# KiCad board kira.kicad_pcb
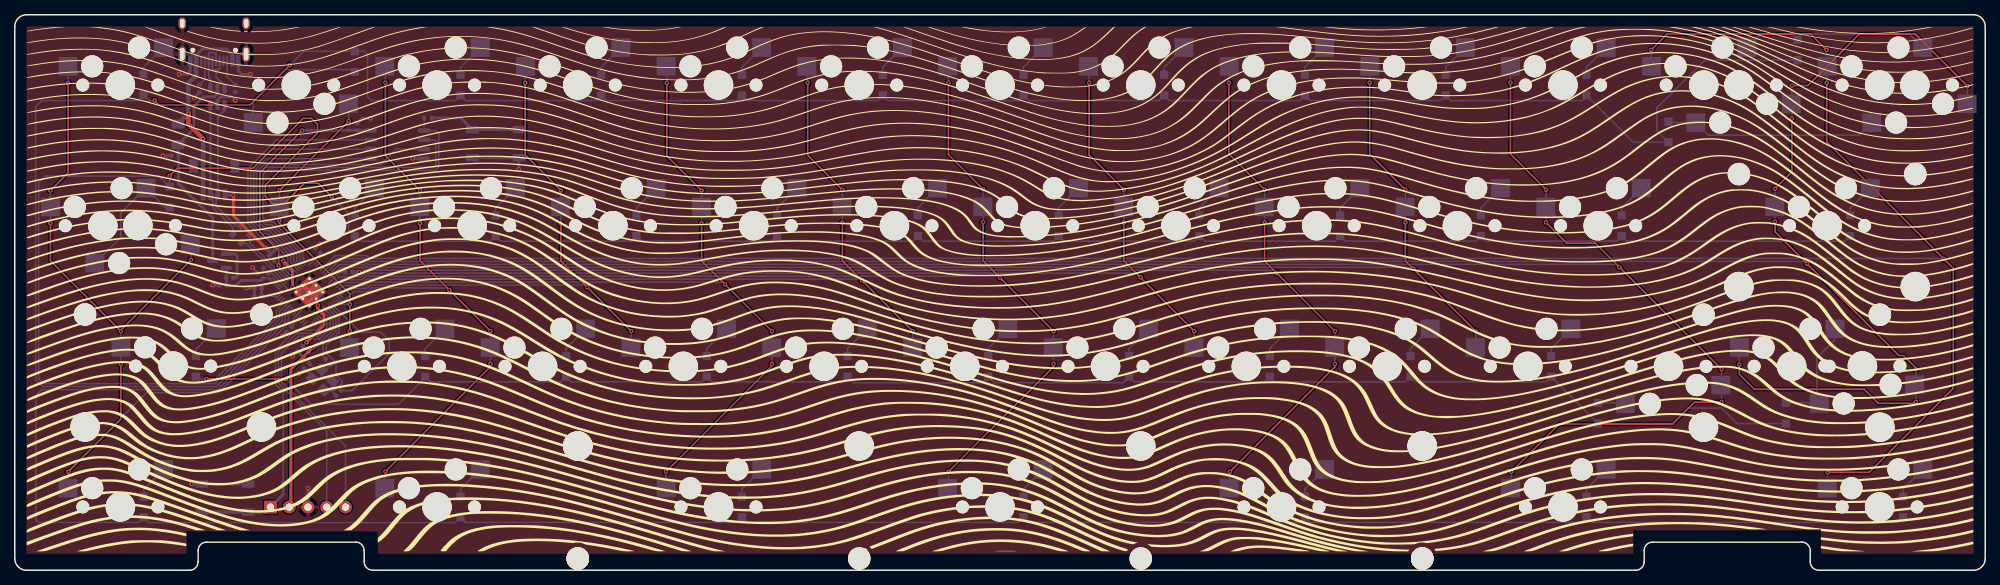
[diagram p0: board, top side]
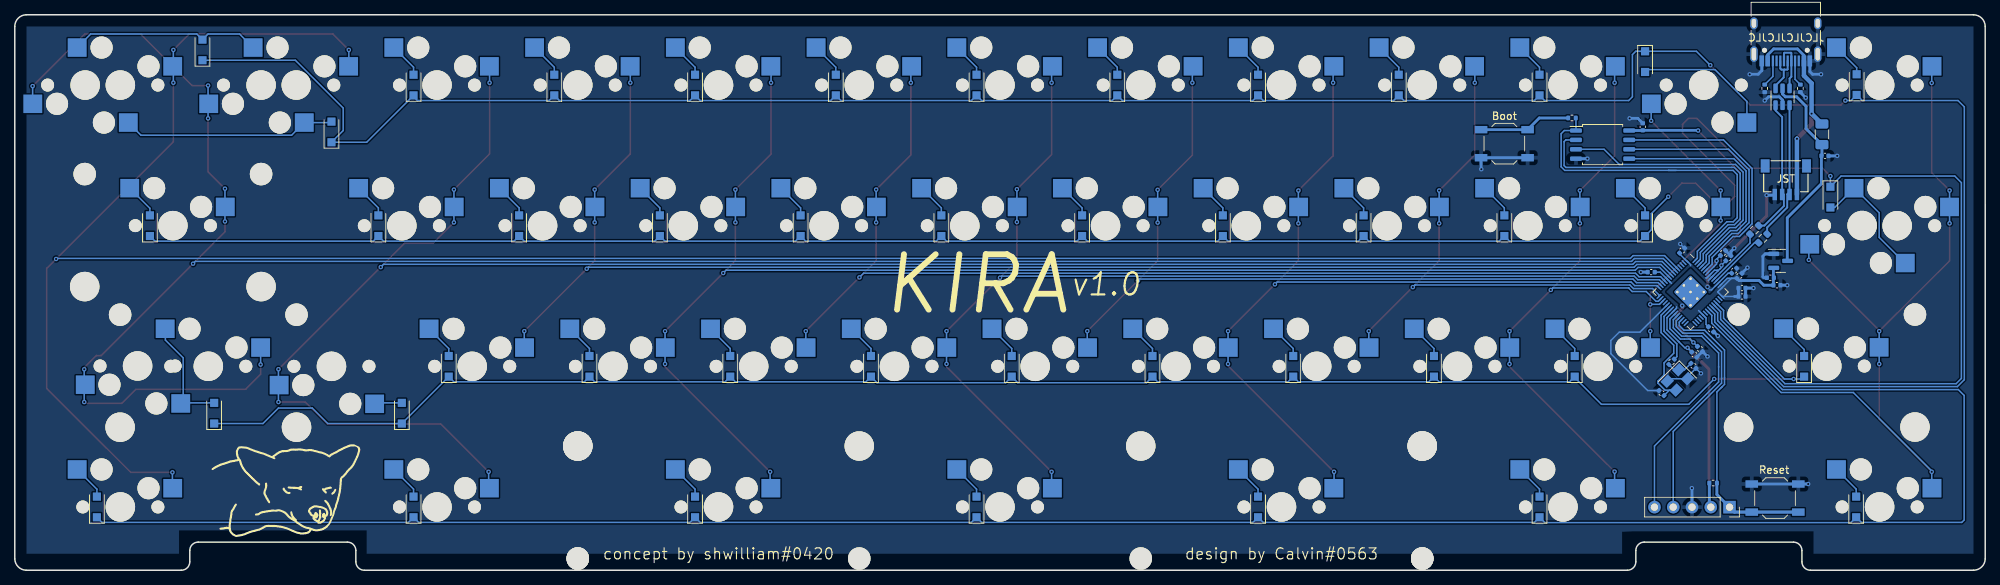
[diagram p1: board, bottom side, seen from below]

Outline 266.7 x 75.25 mm; copper layers: Top, Bottom. Coordinates in mm from the lower left corner of the outline.
Outline path: 0,1.52 0.01,73.65 arc(0.47,74.78) 1.59,75.24 265.18,75.25 arc(266.26,74.76) 266.7,73.66 266.7,1.52 arc(266.24,0.46) 265.18,0 244.16,0 arc(243.35,0.33) 243.01,1.14 243.01,2.67 arc(242.68,3.48) 241.87,3.81 221.68,3.81 arc(220.87,3.48) 220.54,2.67 220.54,1.14 arc(220.2,0.33) 219.39,0 48.43,0 arc(47.62,0.33) 47.29,1.14 47.29,2.67 arc(46.96,3.48) 46.15,3.81 25.95,3.81 arc(25.15,3.48) 24.81,2.67 24.81,1.14 arc(24.48,0.33) 23.67,0 1.59,0 arc(0.49,0.44) 0,1.52
Stack: Top 0.035mm / dielectric 1.51mm FR4 er 4.5 / Bottom 0.035mm

## Placement (name value [footprint] x y rotation side)
C1  1uF  [C_0402_1005Metric]  33.98 40.58 135 bottom
C2  100nF  [C_0402_1005Metric]  35.5 42.98 135 bottom
C3  100nF  [C_0402_1005Metric]  38.61 29.97 225 bottom
C4  1uF  [C_0402_1005Metric]  21.69 56.13 180 bottom
C5  22pF  [C_0402_1005Metric]  39.5 27.69 45 bottom
C6  22pF  [C_0402_1005Metric]  43.81 24 225 bottom
C7  10uF  [C_0402_1005Metric]  29.08 39.62 0 bottom
C8  1uF  [C_0402_1005Metric]  28.19 38.61 180 bottom
C9  1uF  [C_0402_1005Metric]  33.27 39.88 135 bottom
C10  100nF  [C_0402_1005Metric]  32.92 37.08 180 bottom
C11  100nF  [C_0402_1005Metric]  39.37 29.21 225 bottom
C12  100nF  [C_0402_1005Metric]  46.35 60.07 90 bottom
C13  100nF  [C_0402_1005Metric]  37.12 32.63 225 bottom
C14  100nF  [C_0402_1005Metric]  45.21 40.39 0 bottom
C15  100nF  [C_0402_1005Metric]  34.77 42.27 135 bottom
C16  100nF  [C_0402_1005Metric]  32.92 38.23 180 bottom
C17  100nF  [C_0402_1005Metric]  41.02 43.31 135 bottom
D2  D_Small  [D_SOD-123F]  17.4 65.79 90 bottom
D3  D_Small  [D_SOD-123F]  20.95 50.55 270 bottom
D4  D_Small  [D_SOD-123F]  24.51 27.62 90 bottom
D5  D_Small  [D_SOD-123F]  17.46 8.57 90 bottom
D6  D_Small  [D_SOD-123F]  46.04 68.9 270 bottom
D7  D_Small  [D_SOD-123F]  46.04 46.67 90 bottom
D8  D_Small  [D_SOD-123F]  55.56 27.62 90 bottom
D9  D_Small  [D_SOD-123F]  60.33 65.72 90 bottom
D10  D_Small  [D_SOD-123F]  65.09 46.67 90 bottom
D11  D_Small  [D_SOD-123F]  74.61 27.62 90 bottom
D12  D_Small  [D_SOD-123F]  60.33 8.57 90 bottom
D13  D_Small  [D_SOD-123F]  79.38 65.72 90 bottom
D14  D_Small  [D_SOD-123F]  84.14 46.67 90 bottom
D15  D_Small  [D_SOD-123F]  93.66 27.62 90 bottom
D16  D_Small  [D_SOD-123F]  98.42 65.72 90 bottom
D17  D_Small  [D_SOD-123F]  103.19 46.67 90 bottom
D18  D_Small  [D_SOD-123F]  112.71 27.62 90 bottom
D19  D_Small  [D_SOD-123F]  98.42 8.57 90 bottom
D20  D_Small  [D_SOD-123F]  117.47 65.72 90 bottom
D21  D_Small  [D_SOD-123F]  122.24 46.67 90 bottom
D22  D_Small  [D_SOD-123F]  131.76 27.62 90 bottom
D23  D_Small  [D_SOD-123F]  136.53 65.72 90 bottom
D24  D_Small  [D_SOD-123F]  141.29 46.67 90 bottom
D25  D_Small  [D_SOD-123F]  150.81 27.62 90 bottom
D26  D_Small  [D_SOD-123F]  136.53 8.57 90 bottom
D27  D_Small  [D_SOD-123F]  155.57 65.72 90 bottom
D28  D_Small  [D_SOD-123F]  160.34 46.67 90 bottom
D29  D_Small  [D_SOD-123F]  169.86 27.62 90 bottom
D30  D_Small  [D_SOD-123F]  174.62 65.72 90 bottom
D31  D_Small  [D_SOD-123F]  179.39 46.67 90 bottom
D32  D_Small  [D_SOD-123F]  188.91 27.62 90 bottom
D33  D_Small  [D_SOD-123F]  174.62 8.57 90 bottom
D34  D_Small  [D_SOD-123F]  193.68 65.72 90 bottom
D35  D_Small  [D_SOD-123F]  198.44 46.67 90 bottom
D36  D_Small  [D_SOD-123F]  207.96 27.62 90 bottom
D37  D_Small  [D_SOD-123F]  212.72 65.72 90 bottom
D38  D_Small  [D_SOD-123F]  217.49 46.67 90 bottom
D39  D_Small  [D_SOD-123F]  214.31 21.27 90 bottom
D40  D_Small  [D_SOD-123F]  212.72 8.57 90 bottom
D41  D_Small  [D_SOD-123F]  223.84 59.37 90 bottom
D42  D_Small  [D_SOD-123F]  248.41 46.67 90 bottom
D43  D_Small  [D_SOD-123F]  239.71 21.27 90 bottom
D44  D_Small  [D_SOD-123F]  241.3 70.49 90 bottom
D45  D_Small  [D_SOD-123F]  255.59 8.57 90 bottom
F1  500mA  [Fuse_1206_3216Metric]  22.1 59.06 270 bottom
G***  -  [LOGO]  133.32 37.66 0 top
G***#2  -  [LOGO]  231.1 11.81 205 bottom
J1  USB_C_Receptacle_USB2.0  [USB_C_Receptacle_HRO_TYPE-C-31-M-12]  26.99 73.04 0 bottom
J2  SWD  [PinSocket_1x05_P2.54mm_Vertical]  34.61 8.55 270 bottom
J3  Conn_01x04_Male  [JST-SR-4]  26.99 55.67 0 bottom
R1  27R  [R_0603_1608Metric]  31.24 46.1 315 bottom
R2  27R  [R_0603_1608Metric]  30.1 44.96 315 bottom
R3  1k  [R_0402_1005Metric]  36.83 11.81 180 bottom
R4  5k1  [R_0402_1005Metric]  25.02 65.28 270 bottom
R5  5k1  [R_0402_1005Metric]  29.84 65.28 270 bottom
R6  1k  [R_0402_1005Metric]  55.93 61.27 180 bottom
R7  1k  [R_0402_1005Metric]  42.45 28.23 135 bottom
SW1  SW_Push_45deg  [MXOnly-1.5U-Hotswap]  14.29 65.72 0 top
SW2  SW_Push_45deg  [MXOnly-1U-Hotswap]  38.1 65.72 180 top
SW3  SW_Push_45deg  [MXOnly-1U-Hotswap]  57.15 65.72 0 top
SW4  SW_Push_45deg  [MXOnly-1U-Hotswap]  76.2 65.72 0 top
SW5  SW_Push_45deg  [MXOnly-1U-Hotswap]  95.25 65.72 0 top
SW6  SW_Push_45deg  [MXOnly-1U-Hotswap]  114.3 65.72 0 top
SW7  SW_Push_45deg  [MXOnly-1U-Hotswap]  133.35 65.72 0 top
SW8  SW_Push_45deg  [MXOnly-1U-Hotswap]  152.4 65.72 0 top
SW9  SW_Push_45deg  [MXOnly-1U-Hotswap]  171.45 65.72 0 top
SW10  SW_Push_45deg  [MXOnly-1U-Hotswap]  190.5 65.72 0 top
SW11  SW_Push_45deg  [MXOnly-1U-Hotswap]  209.55 65.72 0 top
SW12  SW_Push_45deg  [MXOnly-1U-Hotswap]  257.18 65.72 180 top
SW12(1.5)1  SW_Push_45deg  [MXOnly-1.5U-Hotswap]  233.36 65.72 180 top
SW13  SW_Push_45deg  [MXOnly-1U-Hotswap]  228.6 65.72 0 top
SW13(1.5)1  SW_Push_45deg  [MXOnly-1.5U-Hotswap]  252.41 65.72 0 top
SW14  SW_Push_45deg  [MXOnly-1.75U-Hotswap]  16.66 46.69 180 top
SW14(1.25)1  SW_Push_45deg  [MXOnly-1.25U-Hotswap]  11.92 46.67 0 top
SW15  SW_Push_45deg  [MXOnly-1U-Hotswap]  42.86 46.67 0 top
SW16  SW_Push_45deg  [MXOnly-1U-Hotswap]  61.91 46.67 0 top
SW17  SW_Push_45deg  [MXOnly-1U-Hotswap]  80.96 46.67 0 top
SW18  SW_Push_45deg  [MXOnly-1U-Hotswap]  100.01 46.67 0 top
SW19  SW_Push_45deg  [MXOnly-1U-Hotswap]  119.06 46.67 0 top
SW20  SW_Push_45deg  [MXOnly-1U-Hotswap]  138.11 46.67 0 top
SW21  SW_Push_45deg  [MXOnly-1U-Hotswap]  157.16 46.67 0 top
SW22  SW_Push_45deg  [MXOnly-1U-Hotswap]  176.21 46.67 0 top
SW23  SW_Push_45deg  [MXOnly-1U-Hotswap]  195.26 46.67 0 top
SW24  SW_Push_45deg  [MXOnly-1U-Hotswap]  214.31 46.67 0 top
SW25  SW_Push_45deg  [MXOnly-2.25U-Hotswap]  245.3 46.68 0 top
SW26  SW_Push_45deg  [MXOnly-2.25U-Hotswap]  21.45 27.65 0 top
SW27  SW_Push_45deg  [MXOnly-1U-Hotswap]  52.39 27.62 0 top
SW28  SW_Push_45deg  [MXOnly-1U-Hotswap]  71.44 27.62 0 top
SW29  SW_Push_45deg  [MXOnly-1U-Hotswap]  90.49 27.62 0 top
SW30  SW_Push_45deg  [MXOnly-1U-Hotswap]  109.54 27.62 0 top
SW31  SW_Push_45deg  [MXOnly-1U-Hotswap]  128.59 27.62 0 top
SW32  SW_Push_45deg  [MXOnly-1U-Hotswap]  147.64 27.62 0 top
SW33  SW_Push_45deg  [MXOnly-1U-Hotswap]  166.69 27.62 0 top
SW34  SW_Push_45deg  [MXOnly-1U-Hotswap]  185.74 27.62 0 top
SW35  SW_Push_45deg  [MXOnly-1U-Hotswap]  204.79 27.62 0 top
SW36  SW_Push_45deg  [MXOnly-1U-Hotswap]  223.84 27.62 180 top
SW37(1.75)1  SW_Push_45deg  [MXOnly-1.75U-Hotswap]  250.08 27.67 180 top
SW37(2.75)1  SW_Push_45deg  [MXOnly-2.75U-Hotswap]  240.51 27.63 0 top
SW39  SW_Push_45deg  [MXOnly-1.5U-Hotswap]  14.29 8.58 0 top
SW40  SW_Push_45deg  [MXOnly-1U-Hotswap]  57.15 8.57 0 top
SW41  SW_Push_45deg  [MXOnly-7U-Hotswap-ReversedStabilizers]  133.35 8.57 0 top
SW42  SW_Push_45deg  [MXOnly-1U-Hotswap]  209.55 8.57 0 top
SW43  SW_Push_45deg  [MXOnly-1.5U-Hotswap]  252.41 8.57 0 top
SW44  SW_Push_45deg  [MXOnly-3U-Hotswap-ReversedStabilizers]  95.25 8.57 0 top
SW45  SW_Push_45deg  [MXOnly-3U-Hotswap-ReversedStabilizers]  171.45 8.57 0 top
SW46  Boot  [SW_SPST_TL3342]  65.09 57.79 0 bottom
SW47  Reset  [SW_SPST_TL3342]  28.45 9.78 0 bottom
U1  RP2040  [RP2040-QFN-56]  39.88 37.69 225 bottom
U2  XC6206PxxxMR  [SOT-23]  27.69 41.91 180 bottom
U3  W25Q128JVS  [SOIC-8_5.23x5.23mm_P1.27mm]  51.79 57.66 180 bottom
U4  USBLC6-2SC6  [SOT-23-6]  27.43 64.14 90 bottom
Y1  12MHz  [Crystal_SMD_3225-4Pin_3.2x2.5mm]  41.66 25.78 315 bottom

## Footprints (pads in the part's own frame, mm; a bottom-side part is the same pattern mirrored in y, then rotated)
C_0402_1005Metric
  rrect 0.56x0.62 smd: 1(-0.48,0) 2(0.48,0)
Crystal_SMD_3225-4Pin_3.2x2.5mm
  rect 1.4x1.2 smd: 1(-1.1,-0.85) 2(1.1,-0.85) 3(1.1,0.85) 4(-1.1,0.85)
D_SOD-123F
  rect 1.1x1.1 smd: 1(-1.4,0) 2(1.4,0)
Fuse_1206_3216Metric
  rrect 1.25x1.75 smd: 1(-1.4,0) 2(1.4,0)
JST-SR-4
  rect 1.2x1.8 smd: (-2.8,0.9) (2.8,0.9)
  rect 0.6x1.55 smd: 1(-1.5,4.775) 2(-0.5,4.775) 3(0.5,4.775) 4(1.5,4.775)
MXOnly-1.5U-Hotswap
  round 1.75 hole 1.75 unplated: (-5.08,0) (5.08,0)
  round 3 hole 3 unplated: (-3.81,2.54) (2.54,5.08)
  round 3.988 hole 3.988 unplated: (0,0)
  rect 2.55x2.5 smd far side: 1(-7.085,2.54) 2(5.842,5.08)
MXOnly-1.25U-Hotswap
  round 1.75 hole 1.75 unplated: (-5.08,0) (5.08,0)
  round 3 hole 3 unplated: (-3.81,2.54) (2.54,5.08)
  round 3.988 hole 3.988 unplated: (0,0)
  rect 2.55x2.5 smd far side: 1(-7.085,2.54) 2(5.842,5.08)
MXOnly-1.75U-Hotswap
  round 1.75 hole 1.75 unplated: (-5.08,0) (5.08,0)
  round 3 hole 3 unplated: (-3.81,2.54) (2.54,5.08)
  round 3.988 hole 3.988 unplated: (0,0)
  rect 2.55x2.5 smd far side: 1(-7.085,2.54) 2(5.842,5.08)
MXOnly-1U-Hotswap
  round 1.75 hole 1.75 unplated: (-5.08,0) (5.08,0)
  round 3 hole 3 unplated: (-3.81,2.54) (2.54,5.08)
  round 3.988 hole 3.988 unplated: (0,0)
  rect 2.55x2.5 smd far side: 1(-7.085,2.54) 2(5.842,5.08)
MXOnly-2.25U-Hotswap
  round 3.048 hole 3.048 unplated: (-11.938,6.985) (11.938,6.985)
  round 3.988 hole 3.988 unplated: (-11.938,-8.255) (0,0) (11.938,-8.255)
  round 1.75 hole 1.75 unplated: (-5.08,0) (5.08,0)
  round 3 hole 3 unplated: (-3.81,2.54) (2.54,5.08)
  rect 2.55x2.5 smd far side: 1(-7.085,2.54) 2(5.842,5.08)
MXOnly-2.75U-Hotswap
  round 3.048 hole 3.048 unplated: (-11.938,6.985) (11.938,6.985)
  round 3.988 hole 3.988 unplated: (-11.938,-8.255) (0,0) (11.938,-8.255)
  round 1.75 hole 1.75 unplated: (-5.08,0) (5.08,0)
  round 3 hole 3 unplated: (-3.81,2.54) (2.54,5.08)
  rect 2.55x2.5 smd far side: 1(-7.085,2.54) 2(5.842,5.08)
MXOnly-3U-Hotswap-ReversedStabilizers
  round 3.988 hole 3.988 unplated: (-19.05,8.255) (0,0) (19.05,8.255)
  round 3.048 hole 3.048 unplated: (-19.05,-6.985) (19.05,-6.985)
  round 1.75 hole 1.75 unplated: (-5.08,0) (5.08,0)
  round 3 hole 3 unplated: (-3.81,2.54) (2.54,5.08)
  rect 2.55x2.5 smd far side: 1(-7.085,2.54) 2(5.842,5.08)
MXOnly-7U-Hotswap-ReversedStabilizers
  round 3.988 hole 3.988 unplated: (-57.15,8.255) (0,0) (57.15,8.255)
  round 3.048 hole 3.048 unplated: (-57.15,-6.985) (57.15,-6.985)
  round 1.75 hole 1.75 unplated: (-5.08,0) (5.08,0)
  round 3 hole 3 unplated: (-3.81,2.54) (2.54,5.08)
  rect 2.55x2.5 smd far side: 1(-7.085,2.54) 2(5.842,5.08)
PinSocket_1x05_P2.54mm_Vertical
  rect 1.7x1.7 hole 1: 1(0,0)
  oval 1.7x1.7 hole 1: 2(0,-2.54) 3(0,-5.08) 4(0,-7.62) 5(0,-10.16)
R_0402_1005Metric
  rrect 0.54x0.64 smd: 1(-0.51,0) 2(0.51,0)
R_0603_1608Metric
  rrect 0.8x0.95 smd: 1(-0.825,0) 2(0.825,0)
RP2040-QFN-56
  rrect 1.084x1.084 smd: (-0.637,-0.637) (-0.637,0.637) (0.637,-0.637) (0.637,0.637)
  rrect 0.875x0.2 smd: 1(-3.438,2.6) 2(-3.438,2.2) 3(-3.438,1.8) 4(-3.438,1.4) 5(-3.438,1) 6(-3.438,0.6) 7(-3.438,0.2) 8(-3.438,-0.2) 9(-3.438,-0.6) 10(-3.438,-1) 11(-3.438,-1.4) 12(-3.438,-1.8) 13(-3.438,-2.2) 14(-3.438,-2.6) 29(3.438,-2.6) 30(3.438,-2.2) 31(3.438,-1.8) 32(3.438,-1.4) 33(3.438,-1) 34(3.438,-0.6) 35(3.438,-0.2) 36(3.438,0.2) 37(3.438,0.6) 38(3.438,1) 39(3.438,1.4) 40(3.438,1.8) 41(3.438,2.2) 42(3.438,2.6)
  rrect 0.2x0.875 smd: 15(-2.6,-3.438) 16(-2.2,-3.438) 17(-1.8,-3.438) 18(-1.4,-3.438) 19(-1,-3.438) 20(-0.6,-3.438) 21(-0.2,-3.438) 22(0.2,-3.438) 23(0.6,-3.438) 24(1,-3.438) 25(1.4,-3.438) 26(1.8,-3.438) 27(2.2,-3.438) 28(2.6,-3.438) 43(2.6,3.438) 44(2.2,3.438) 45(1.8,3.438) 46(1.4,3.438) 47(1,3.438) 48(0.6,3.438) 49(0.2,3.438) 50(-0.2,3.438) 51(-0.6,3.438) 52(-1,3.438) 53(-1.4,3.438) 54(-1.8,3.438) 55(-2.2,3.438) 56(-2.6,3.438)
  round 0.6 hole 0.35: 57(-1.275,-1.275) 57(-1.275,0) 57(-1.275,1.275) 57(0,-1.275) 57(0,0) 57(0,1.275) 57(1.275,-1.275) 57(1.275,0) 57(1.275,1.275)
  rrect 3.2x3.2 smd: 57(0,0)
SOIC-8_5.23x5.23mm_P1.27mm
  rrect 1.6x0.6 smd: 1(-3.6,1.905) 2(-3.6,0.635) 3(-3.6,-0.635) 4(-3.6,-1.905) 5(3.6,-1.905) 6(3.6,-0.635) 7(3.6,0.635) 8(3.6,1.905)
SOT-23
  rrect 1.475x0.6 smd: 1(-0.938,0.95) 2(-0.938,-0.95) 3(0.938,0)
SOT-23-6
  rrect 1.325x0.6 smd: 1(-1.137,0.95) 2(-1.137,0) 3(-1.137,-0.95) 4(1.137,-0.95) 5(1.137,0) 6(1.137,0.95)
SW_SPST_TL3342
  rect 1.7x1 smd: 1(-3.15,1.9) 1(3.15,1.9) 2(-3.15,-1.9) 2(3.15,-1.9)
USB_C_Receptacle_HRO_TYPE-C-31-M-12
  round 0.65 hole 0.65 unplated: (-2.89,2.6) (2.89,2.6)
  rect 0.6x1.45 smd: A1(-3.25,4.045) A4(-2.45,4.045) A9(2.45,4.045) A12(3.25,4.045) B1(3.25,4.045) B4(2.45,4.045) B9(-2.45,4.045) B12(-3.25,4.045)
  rect 0.3x1.45 smd: A5(-1.25,4.045) A6(-0.25,4.045) A7(0.25,4.045) A8(1.25,4.045) B5(1.75,4.045) B6(0.75,4.045) B7(-0.75,4.045) B8(-1.75,4.045)
  oval 1x1.6 hole 0.6x1.2: S1(-4.32,-1.05) S1(4.32,-1.05)
  oval 1x2.1 hole 0.6x1.7: S1(-4.32,3.13) S1(4.32,3.13)

## Nets
+1V1: C1.1 C2.1 C3.1 U1.23 U1.45 U1.50
+3V3: C7.1 C8.1 C9.1 C10.1 C11.1 C12.1 C13.1 C14.1 C15.1 C16.1 C17.1 J2.2 R3.1 U1.1 U1.10 U1.22 U1.33 U1.42 U1.43 U1.44 U1.48 U1.49 U2.2 U3.8
+5V: C4.1 F1.2 U2.3 U4.5
GND: C1.2 C2.2 C3.2 C4.2 C5.1 C6.1 C7.2 C8.2 C9.2 C10.2 C11.2 C12.2 C13.2 C14.2 C15.2 C16.2 C17.2 J1.A1 J1.A12 J1.B1 J1.B12 J1.S1 J2.3 J3.4 R4.2 R5.2 SW46.1 SW47.2 U1.19 U1.57 U2.1 U3.4 U4.2 Y1.2 Y1.4
VBUS: F1.1 J1.A4 J1.A9 J1.B4 J1.B9 J3.1
/CC1: J1.A5 R4.1
/CC2: J1.B5 R5.1
/D_+: R1.2 U1.47
/D_-: R2.2 U1.46
/USB_BOOT: R6.1 SW46.2
Col0: SW1.1 SW14.1 SW14(1.25)1.1 SW26.1 SW39.1 U1.35
Col1: SW2.1 SW15.1 SW27.1 U1.17
Col2: SW3.1 SW16.1 SW28.1 SW40.1 U1.16
Col3: SW4.1 SW17.1 SW29.1 U1.15
Col4: SW5.1 SW18.1 SW30.1 SW44.1 U1.14
Col5: SW6.1 SW19.1 SW31.1 U1.13
Col6: SW7.1 SW20.1 SW32.1 SW41.1 U1.12
Col7: SW8.1 SW21.1 SW33.1 U1.11
Col8: SW9.1 SW22.1 SW34.1 SW45.1 U1.9
Col9: SW10.1 SW23.1 SW35.1 U1.8
Col10: SW11.1 SW24.1 SW36.1 SW42.1 U1.7
Col11: SW12.1 SW12(1.5)1.1 SW25.1 SW37(1.75)1.1 SW37(2.75)1.1 U1.6
Col12: SW13.1 SW13(1.5)1.1 SW43.1 U1.5
CS: R6.2 U1.56 U3.1
D_N: J3.2 R2.1 U4.3
D_P: J3.3 R1.1 U4.1
D_USB_N: J1.A7 J1.B7 U4.4
D_USB_P: J1.A6 J1.B6 U4.6
QSPI_CLK: U1.52 U3.6
RESET: J2.1 R3.2 SW47.1 U1.26
Row0: D2.1 D6.1 D9.1 D13.1 D16.1 D20.1 D23.1 D27.1 D30.1 D34.1 D37.1 D41.1 D44.1 U1.37
Row1: D3.1 D7.1 D10.1 D14.1 D17.1 D21.1 D24.1 D28.1 D31.1 D35.1 D38.1 D42.1 U1.38
Row2: D4.1 D8.1 D11.1 D15.1 D18.1 D22.1 D25.1 D29.1 D32.1 D36.1 D39.1 D43.1 U1.39
Row3: D5.1 D12.1 D19.1 D26.1 D33.1 D40.1 D45.1 U1.36
SD0: U1.53 U3.5
SD1: U1.55 U3.2
SD2: U1.54 U3.3
SD3: U1.51 U3.7
SWCLK: J2.5 U1.24
SWD: J2.4 U1.25
XTAL_IN: C6.2 U1.20 Y1.3
XTAL_OUT: R7.2 U1.21
Net-(C5-Pad2): C5.2 R7.1 Y1.1
Net-(D2-Pad2): D2.2 SW1.2
Net-(D3-Pad2): D3.2 SW14.2 SW14(1.25)1.2
Net-(D4-Pad2): D4.2 SW26.2
Net-(D5-Pad2): D5.2 SW39.2
Net-(D6-Pad2): D6.2 SW2.2
Net-(D7-Pad2): D7.2 SW15.2
Net-(D8-Pad2): D8.2 SW27.2
Net-(D9-Pad2): D9.2 SW3.2
Net-(D10-Pad2): D10.2 SW16.2
Net-(D11-Pad2): D11.2 SW28.2
Net-(D12-Pad2): D12.2 SW40.2
Net-(D13-Pad2): D13.2 SW4.2
Net-(D14-Pad2): D14.2 SW17.2
Net-(D15-Pad2): D15.2 SW29.2
Net-(D16-Pad2): D16.2 SW5.2
Net-(D17-Pad2): D17.2 SW18.2
Net-(D18-Pad2): D18.2 SW30.2
Net-(D19-Pad2): D19.2 SW44.2
Net-(D20-Pad2): D20.2 SW6.2
Net-(D21-Pad2): D21.2 SW19.2
Net-(D22-Pad2): D22.2 SW31.2
Net-(D23-Pad2): D23.2 SW7.2
Net-(D24-Pad2): D24.2 SW20.2
Net-(D25-Pad2): D25.2 SW32.2
Net-(D26-Pad2): D26.2 SW41.2
Net-(D27-Pad2): D27.2 SW8.2
Net-(D28-Pad2): D28.2 SW21.2
Net-(D29-Pad2): D29.2 SW33.2
Net-(D30-Pad2): D30.2 SW9.2
Net-(D31-Pad2): D31.2 SW22.2
Net-(D32-Pad2): D32.2 SW34.2
Net-(D33-Pad2): D33.2 SW45.2
Net-(D34-Pad2): D34.2 SW10.2
Net-(D35-Pad2): D35.2 SW23.2
Net-(D36-Pad2): D36.2 SW35.2
Net-(D37-Pad2): D37.2 SW11.2
Net-(D38-Pad2): D38.2 SW24.2
Net-(D39-Pad2): D39.2 SW36.2
Net-(D40-Pad2): D40.2 SW42.2
Net-(D41-Pad2): D41.2 SW12.2 SW12(1.5)1.2
Net-(D42-Pad2): D42.2 SW25.2
Net-(D43-Pad2): D43.2 SW37(1.75)1.2 SW37(2.75)1.2
Net-(D44-Pad2): D44.2 SW13.2 SW13(1.5)1.2
Net-(D45-Pad2): D45.2 SW43.2

Pads without a net: J1 A8 B8; U1 2 3 4 18 27 28 29 30 31 32 34 40 41

## Via types
v1: diameter 0.6, hole 0.3, Top to Bottom, 115 vias
v2: diameter 0.6, hole 0.35, Top to Bottom, 1 via

## Routing (per net, layer and track width the routed paths; a pad name or vN(x,y) marks a point on that pad's centre or on a via; arc(x,y) is an arc through that point)
+1V1: length 24.8
  Top w0.381: v1(36.36,41.91) 37.59,40.69 v2(37.59,38.38) ; v1(39.5,30.86) 41.85,33.21 41.85,34.61 41.01,35.45 v1(41.01,35.84)
  Bottom w0.2: C1.1 34.78,40.24 U1.45 37.05,37.97 37.34,37.97 ; 36.36,42.12 v1(36.36,41.91) ; v1(36.36,41.91) 36.36,41.49 36.72,41.13 U1.50 ; v1(36.36,41.91) 36.36,42.12 C2.1 ; U1.23 42.67,34.05 42.67,32.72 41.26,31.31 39.95,31.31 v1(39.5,30.86) C3.1
+3V3: length 97.3
  Top w0.2: v1(38.86,59.56) 33.15,53.85 33.15,45.85 35.71,43.29 v1(35.71,41.3)
  Top w0.381: J2.2 37.38,8.78 37.38,27.09 ; 37.38,27.22 v1(40.3,30.14)
  Bottom w0.2: 42.47,38.86 42.64,39.03 U1.10 44,40.39 C14.1 ; 33.94,37.08 35.61,37.08 U1.42 36.2,37.67 36.2,37.72 35.64,38.28 U1.43 34.35,39.54 C9.1 34.92,39.54 U1.44 35.9,38.52 ; 39.88,41.28 39.88,41.4 40.43,41.96 ; 37.47,39.24 37.47,39.26 U1.48 36.14,40.58 ; 36.14,40.58 35.71,41.01 v1(35.71,41.3) 35.11,41.9 C15.1 ; 36.14,40.58 36.2,40.64 36.65,40.64 U1.49 37.69,39.6 37.85,39.6 ; C11.1 39.71,29.55 v1(40.3,30.14) 40.66,30.14 41.52,31 ; U1.1 41.36,42.84 C17.1 ; 38.79,35.18 U1.33 37.78,34.17 37.78,33.3 C13.1 ; 41.52,31 43.07,32.55 43.07,34.22 U1.22 41.78,35.5 41.78,35.69 ; 41.52,31 41.43,30.91
  Bottom w0.381: J2.2 37.34,8.74 37.34,11.81 ; v1(38.86,59.56) 38.89,59.59 C12.1 46.38,59.56 U3.8 ; C16.1 C10.1 33.94,37.08 ; C9.1 33.32,39.24 30.61,39.24 29.97,38.61 C8.1 28.67,40.91 U2.2
+5V: length 28.4
  Bottom w0.381: U4.5 27.43,64.52 27.05,64.14 25.53,64.14 24.25,62.86 24.25,59.81 F1.2 22.1,56.21 C4.1 22.17,52.36 26.8,47.73 26.8,41.96 U2.3
GND: length 102.2
  Top w0.381: v1(33.97,43.62) 33.97,43.62 29.59,48.01 v1(29.59,50.8)
  Top w0.6: U1.57 U1.57 ; U1.57 U1.57 ; U1.57 U1.57 39.88,36.33 41.24,37.69 U1.57 U1.57 U1.57
  Bottom w0.2: Y1.2 42.7,25.94 40.29,25.94 Y1.4 40.28,26.23 C5.1 v1(38.48,26.67) ; C17.2 40.73,43.65 v1(41.27,44.2) ; C6.1 45.68,24.34 50.67,29.34 50.67,31.12 49.53,32.26 46.73,32.26 U1.19
  Bottom w0.381: v1(29.59,50.8) 28.59,50.8 J3.4 ; C9.2 32.93,40.24 v1(32.18,40.99) ; v1(39.71,11.12) 39.69,11.1 J2.3 ; v1(68.2,54.32) 68.24,54.36 SW46.1 SW46.1 ; C10.2 C16.2 31.4,38.23 ; v1(36.2,31.75) 36.15,31.71 36.14,31.71 36.73,32.29 ; C4.2 v1(20.04,56.13) ; 24,11.68 24.01,11.68 31.73,11.68 ; v1(29.84,63.63) 29.34,64.14 27.87,64.14 27.43,63.69 U4.2 ; C2.2 34.44,42.61 C15.2 34.43,43.16 v1(33.97,43.62) ; v1(22.23,67.18) 23.37,67.18 23.74,67.55 J1.A1 ; C14.2 v1(46.61,40.39) ; C12.2 47.02,61.21 v1(48.13,61.21) ; R4.2 25.02,64.73 v1(24.29,64.01) ; 29.52,42.86 U2.1 29.78,42.86 30.1,42.55 30.1,39.75 29.97,39.62 C7.2 ; U3.4 53.85,55.75 v1(53.85,55.75) ; C11.2 C3.2 v1(37.59,28.96) ; 27.71,38.61 v1(26.8,38.61) ; v1(31.88,67.18) 30.73,67.18 30.24,67.68 J1.A12
  vias: v1(23.96,11.68) v1(31.37,38.23)
VBUS: length 28.5
  Top w0.6: v1(23.49,61.85) 23.49,60.43 v1(25.48,58.44)
  Bottom w0.381: J1.A9 29.44,69.82 28.64,70.62 25.41,70.62 24.54,69.75 J1.A4
  Bottom w0.6: v1(25.48,58.44) 25.49,58.44 J3.1 ; J1.A4 24.54,67 23.49,65.96 v1(23.49,61.85) F1.1
/CC1: length 3.5
  Bottom w0.2: J1.A5 25.74,66.51 R4.1
/CC2: length 3.7
  Bottom w0.2: R5.1 28.74,66.9 J1.B5
/D_+: length 8.1
  Bottom w0.2: R1.2 31.83,44.33 U1.47
/D_-: length 8
  Bottom w0.2: R2.2 31.22,44.37 U1.46
/USB_BOOT: length 12.4
  Bottom w0.381: R6.1 60.36,61.27 SW46.2 SW46.2
Col0: length 120.7
  Top w0.2: v1(4.83,51.44) 7.24,53.85 v1(7.24,66.01) ; v1(23.88,42.04) 14.35,32.51 v1(14.35,32.39) 4.83,41.91 v1(4.83,46.99) ; v1(7.24,13.34) 14.35,20.45 v1(14.35,27.94)
  Bottom w0.2: 7.24,11.15 v1(7.24,13.34) 7.24,13.46 17.85,24.07 27.62,24.07 37.01,33.47 37.01,34.53 U1.35 ; v1(23.88,42.04) 23.88,44.22 ; v1(7.24,66.01) 7.24,68.2 ; v1(4.83,46.99) 4.83,49.18 ; v1(14.35,27.94) 14.35,30.13 ; v1(4.83,51.44) 4.83,49.25 ; v1(14.35,32.39) 14.35,30.2
Col1: length 42.6
  Top w0.2: v1(35.81,51.44) 45.21,60.83 v1(45.21,60.88) ; v1(45.34,32.39) 45.34,37.47 35.81,46.99 v1(35.81,47.37)
  Bottom w0.2: v1(35.81,47.37) 35.78,47.41 SW15.1 ; v1(45.34,36.02) 44.1,36.02 U1.17 ; v1(45.34,32.39) 45.34,30.2 ; v1(45.21,60.88) 45.21,63.07 ; v1(35.81,51.44) 35.81,49.25
Col2: length 85
  Top w0.2: v1(54.86,51.44) 50.17,56.13 v1(50.17,66.04) ; v1(50.17,13.36) 64.39,27.59 v1(64.39,27.94) ; v1(58.8,37.97) 59.06,37.72 ; 59.06,37.72 54.86,41.91 v1(54.86,46.99) ; 59.06,37.72 v1(64.39,32.39)
  Bottom w0.2: v1(54.86,51.44) 54.86,49.25 ; v1(54.86,46.99) 54.86,49.18 ; v1(64.39,27.94) 64.39,30.13 ; v1(64.39,32.39) 64.39,30.2 ; U1.16 44.25,36.43 44.56,36.43 45.88,37.76 47.79,37.76 48.25,38.22 48.25,38.23 48.26,38.24 58.53,38.24 v1(58.8,37.97) ; v1(50.17,13.36) 50.17,11.18 ; v1(50.17,66.04) 50.17,68.23
Col3: length 78.9
  Top w0.2: v1(69.09,66.04) 69.09,56.26 v1(73.91,51.44) ; v1(73.91,46.99) 73.91,41.91 76.9,38.93 ; v1(77.47,38.35) 76.9,38.93 ; 76.9,38.93 v1(83.44,32.39)
  Bottom w0.2: v1(73.91,46.99) 73.91,49.18 ; v1(73.91,51.44) 73.91,49.25 ; v1(83.44,32.39) 83.44,30.2 ; v1(77.47,38.35) 77.18,38.64 48.1,38.64 47.61,38.16 45.01,38.16 44.15,37.3 U1.15 ; v1(69.09,66.04) 69.09,68.23
Col4: length 121.8
  Top w0.2: v1(96.14,38.73) 95.69,39.18 ; 95.69,39.18 92.96,41.91 v1(92.96,46.99) ; 95.69,39.18 v1(102.49,32.39) ; v1(88.14,13.34) 102.49,27.69 v1(102.49,27.94) ; v1(88.27,66.04) 88.27,56.13 v1(92.96,51.44)
  Bottom w0.2: v1(88.27,66.04) 88.27,68.23 ; v1(102.49,32.39) 102.49,30.2 ; U1.14 44.43,38.56 47.45,38.56 47.93,39.04 95.83,39.04 v1(96.14,38.73) ; v1(88.14,13.34) 88.14,11.15 ; v1(92.96,46.99) 92.96,49.18 ; v1(92.96,51.44) 92.96,49.25 ; v1(102.49,27.94) 102.49,30.13
Col5: length 115.6
  Top w0.2: v1(112.01,51.54) 107.31,56.23 v1(107.31,66.04) ; 115,38.93 115,38.93 v1(114.68,39.24) ; 115,38.93 v1(121.54,32.39) ; 115,38.93 112.01,41.91 v1(112.01,47.09)
  Bottom w0.2: v1(114.68,39.24) 114.48,39.44 47.67,39.44 47.19,38.96 44.27,38.96 U1.13 ; v1(121.54,32.39) 121.54,30.2 ; v1(107.31,66.04) 107.31,68.23 ; v1(112.01,51.54) 112.01,49.35 ; v1(112.01,47.09) 112.01,49.28
Col6: length 159.3
  Top w0.2: 133.6,39.37 131.06,41.91 v1(131.06,47.17) ; 133.6,39.37 v1(140.59,32.39) ; 133.6,39.37 v1(133.35,39.62) ; v1(126.37,66.04) 126.37,56.31 v1(131.06,51.61) ; v1(126.37,13.34) 140.59,27.56 v1(140.59,27.94)
  Bottom w0.2: v1(131.06,47.17) 131.06,49.35 ; v1(131.06,51.61) 131.06,49.43 ; v1(133.35,39.62) 133.13,39.84 47.51,39.84 47.02,39.36 44.1,39.36 U1.12 ; v1(126.37,13.34) 126.37,11.15 ; v1(140.59,27.94) 140.59,30.13 ; v1(140.59,32.39) 140.59,30.2 ; v1(126.37,66.04) 126.37,68.23
Col7: length 153.6
  Top w0.2: v1(145.41,66.04) 145.41,56.26 v1(150.11,51.56) ; v1(159.64,32.39) 150.11,41.91 v1(150.11,47.12)
  Bottom w0.2: v1(145.41,66.04) 145.41,68.23 ; v1(150.11,47.12) 150.11,49.3 ; v1(152.37,39.67) 151.81,40.24 47.34,40.24 46.86,39.76 43.93,39.76 U1.11 ; v1(159.64,32.39) 159.64,30.2 ; v1(150.11,51.56) 150.11,49.38
Col8: length 197.7
  Top w0.2: v1(178.69,32.39) 169.16,41.91 v1(169.16,47.12) ; v1(164.34,66.04) 164.34,56.39 v1(169.16,51.56) ; v1(178.69,27.94) 178.69,27.56 v1(164.47,13.34)
  Bottom w0.2: v1(164.34,66.04) 164.34,68.23 ; v1(169.16,47.12) 169.16,49.3 ; v1(169.16,51.56) 169.16,49.38 ; v1(170.81,40.26) 170.43,40.64 47.37,40.64 46.99,41.02 44.07,41.02 U1.9 ; v1(178.69,27.94) 178.69,30.13 ; v1(164.47,13.34) 164.47,11.15 ; v1(178.69,32.39) 178.69,30.2
Col9: length 192.5
  Top w0.2: v1(183.39,66.04) 183.39,56.39 v1(188.21,51.56) ; 189.93,40.2 189.93,40.2 v1(189.29,40.84) ; 189.93,40.2 188.21,41.91 v1(188.21,47.12) ; 189.93,40.2 v1(197.74,32.39)
  Bottom w0.2: U1.8 43.9,41.42 47.16,41.42 47.54,41.04 189.09,41.04 v1(189.29,40.84) ; v1(183.39,66.04) 183.39,68.23 ; v1(188.21,51.56) 188.21,49.38 ; v1(197.74,32.39) 197.74,30.2 ; v1(188.21,47.12) 188.21,49.3
Col10: length 269.9
  Top w0.2: v1(231.01,22.78) 227.38,22.78 224.41,19.81 209.04,19.81 v1(202.56,13.34) ; v1(217.16,41.07) 217.18,41.07 217.19,41.05 ; v1(202.44,66.04) 202.44,56.39 v1(207.26,51.56) ; 217.19,41.05 213.92,44.32 210.06,44.32 v1(207.26,47.12) ; 217.19,41.05 v1(231.01,27.23)
  Bottom w0.2: v1(202.44,66.04) 202.44,68.23 ; v1(231.01,27.23) 231.01,25.04 ; v1(207.26,51.56) 207.26,49.38 ; U1.7 43.74,41.82 47.32,41.82 47.7,41.44 216.79,41.44 v1(217.16,41.07) ; v1(207.26,47.12) 207.26,49.3 ; v1(202.56,13.34) 202.56,11.15 ; v1(231.01,22.78) 231.01,24.97
Col11: length 314.9
  Top w0.2: v1(257.3,22.78) 257.12,22.61 252.22,22.61 250.32,24.51 235.46,24.51 233.43,26.54 v1(233.43,27.86) ; v1(240.54,61.21) 240.54,53.98 v1(238.25,51.69) ; v1(242.57,41.53) 242.95,41.15 ; 242.95,41.15 238.25,45.85 v1(238.25,47.24) ; 242.95,41.15 255.02,29.08 255.65,29.08 257.3,27.43 v1(257.3,27.23) ; v1(264.29,65.58) 257.23,72.64 249.68,72.64 242.7,65.66 v1(240.54,65.66)
  Bottom w0.2: v1(242.57,41.53) 242.26,41.84 47.87,41.84 47.49,42.22 43.57,42.22 U1.6 ; v1(257.3,22.78) 257.3,24.97 ; v1(240.54,65.66) 240.54,63.47 ; v1(238.25,47.24) 238.25,49.43 ; v1(238.25,51.69) 238.25,49.5 ; v1(240.54,61.21) 240.54,63.4 ; v1(233.43,27.86) 233.43,30.05 ; v1(264.29,65.58) 264.29,63.4 ; v1(257.3,27.23) 257.3,25.04
Col12: length 325.3
  Top w0.2: v1(261.11,42.16) 261.37,41.91 ; 261.37,41.91 262.38,40.89 262.38,24.64 251,13.26 v1(245.36,13.26) ; 261.37,41.91 245.24,58.04 v1(245.24,66.04) ; v1(221.49,70.49) 223.65,72.64 243.08,72.64 v1(245.24,70.49)
  Bottom w0.2: v1(245.24,66.04) 245.24,68.23 ; U1.5 43.4,42.62 47.65,42.62 48.03,42.24 261.04,42.24 v1(261.11,42.16) ; v1(221.49,70.49) 221.49,68.3 ; v1(245.36,13.26) 245.36,11.07 ; v1(245.24,70.49) 245.24,68.3
CS: length 48.2
  Bottom w0.2: 42.86,54.17 56.92,54.17 57.4,54.65 57.4,59.14 56.97,59.56 U3.1 55.39,61.24 R6.2 ; 42.86,54.17 41.85,54.17 ; 42.86,54.17 34.13,54.17 33.57,53.6 33.57,47.75 34.1,47.21 34.97,47.21 38.96,43.21 38.96,42.28 U1.56
D_N: length 18.7
  Bottom w0.254: U4.3 26.49,62.99 26.49,51.24 26.8,50.93 26.8,49.15 29.52,46.43 R2.1
D_P: length 18.6
  Bottom w0.254: R1.1 29.9,46.68 27.25,49.34 27.25,50.89 27.49,51.13 27.49,61.4 28.38,62.29 28.38,63
D_USB_N: length 7
  Bottom w0.254: J1.A7 27.24,70.02 27.16,70.1 26.29,70.1 26.24,70.05 J1.B7 26.24,66.85 26.48,66.61 26.48,65.28 U4.4
D_USB_P: length 6.3
  Bottom w0.254: J1.B6 27.74,67.97 27.59,67.82 27.18,67.82 ; J1.A6 26.74,67.88 26.8,67.82 27.18,67.82 ; 27.18,67.82 27.27,67.72 27.27,66.77 28.38,65.66 28.38,65.27
QSPI_CLK: length 33.9
  Bottom w0.2: U1.52 37.36,41.62 37.36,42.55 34.3,45.61 33.44,45.61 31.97,47.08 31.97,54.26 34.73,57.02 U3.6
RESET: length 49.3
  Bottom w0.2: 35.63,24.83 36.32,24.14 R3.2 ; 35.63,24.83 35.29,25.18 35.29,26.05 35.29,29.83 37.97,32.51 40.77,32.51 41.42,33.16 41.42,33.61 41.07,33.96 ; 35.63,24.83 35.85,24.61
  Bottom w0.381: 33.94,7.88 SW47.1 ; 33.94,7.88 J2.1 36.32,10.26 R3.2 ; 33.94,7.88 25.42,7.88
Row0: length 342.7
  Top w0.2: v1(37.21,68.42) 31.82,63.03 19.52,63.03 v1(18.92,63.63)
  Bottom w0.2: v1(18.92,63.63) 18.16,63.63 17.4,64.39 D2.1 16.64,63.63 3.68,63.63 2.83,62.77 2.83,25.82 3.77,24.87 27.29,24.87 36.21,33.8 36.21,34.86 U1.37 ; D44.1 228.72,69.09 222.25,62.61 222.25,59.56 D41.1 219.07,57.97 D37.1 212.72,64.14 212.22,63.63 194.37,63.63 D34.1 192.98,63.63 175.32,63.63 D30.1 173.93,63.63 156.27,63.63 D27.1 154.88,63.63 137.22,63.63 D23.1 135.83,63.63 118.17,63.63 D20.1 116.78,63.63 99.12,63.63 D16.1 97.73,63.63 80.07,63.63 D13.1 78.68,63.63 61.02,63.63 D9.1 59.63,63.63 48.26,63.63 47.75,64.14 47.75,69.85 47.3,70.3 D6.1 39.09,70.3 v1(37.21,68.42)
Row1: length 347.8
  Top w0.2: v1(42.9,50.6) 41.07,52.43 39.19,52.43 36.45,49.68 34.87,49.68 33.91,50.65 33.91,52.17 40.97,59.23 40.97,60.4 40.16,61.21 39.04,61.21 32.28,54.46 22.02,54.46 v1(20.96,53.39)
  Bottom w0.2: U1.38 35.81,35.03 35.81,33.98 27.11,25.27 3.94,25.27 3.23,25.98 3.23,52.5 4.12,53.39 19.51,53.39 D3.1 20.95,53.39 ; D42.1 247.72,44.58 218.18,44.58 D38.1 216.79,44.58 199.13,44.58 D35.1 197.74,44.58 180.08,44.58 D31.1 178.69,44.58 161.03,44.58 D28.1 159.64,44.58 141.98,44.58 D24.1 140.59,44.58 122.93,44.58 D21.1 121.54,44.58 103.88,44.58 D17.1 102.49,44.58 84.83,44.58 D14.1 83.44,44.58 65.78,44.58 D10.1 64.39,44.58 46.73,44.58 D7.1 45.19,46.12 45.19,48.31 v1(42.9,50.6)
Row2: length 243
  Top w0.2: v1(25.93,25.91) v1(36.69,25.91)
  Bottom w0.2: v1(36.69,25.91) 40.12,22.48 51.94,22.48 55.56,26.1 D8.1 56.26,25.53 73.92,25.53 D11.1 75.31,25.53 92.97,25.53 D15.1 94.36,25.53 112.02,25.53 D18.1 113.53,25.4 130.94,25.4 D22.1 132.59,25.4 149.99,25.4 D25.1 151.51,25.53 169.17,25.53 D29.1 170.56,25.53 188.22,25.53 D32.1 189.61,25.53 207.27,25.53 D36.1 D39.1 224.34,19.87 226.44,21.97 231.01,21.97 233.11,19.87 D43.1 ; D4.1 24.83,25.91 v1(25.93,25.91) 27.18,25.91 35.41,34.14 35.41,35.2 U1.39
Row3: length 313.4
  Bottom w0.2: D45.1 254.89,6.48 213.42,6.48 D40.1 212.03,6.48 175.32,6.48 D33.1 173.93,6.48 137.22,6.48 D26.1 135.83,6.48 99.12,6.48 D19.1 97.73,6.48 61.02,6.48 D12.1 59.61,6.46 18.18,6.46 D5.1 17.46,7.17 16.76,6.48 3.18,6.48 2.85,6.8 2.85,23.68 3.64,24.47 27.45,24.47 36.61,33.64 36.61,34.7 U1.36
SD0: length 32.5
  Bottom w0.2: U3.5 34.03,55.75 32.37,54.1 32.37,47.25 33.61,46.01 34.47,46.01 37.76,42.72 37.76,41.79 U1.53
SD1: length 44.2
  Bottom w0.2: U3.2 56.77,58.29 57,58.07 57,54.81 56.75,54.57 34.29,54.57 34.29,54.57 33.97,54.57 33.17,53.77 33.17,47.58 33.94,46.81 34.8,46.81 38.56,43.05 38.56,42.12 U1.55
SD2: length 39.4
  Bottom w0.2: U1.54 38.16,41.95 38.16,42.88 34.63,46.41 33.77,46.41 32.77,47.41 32.77,53.93 33.81,54.97 49.53,54.97 49.53,54.97 51.59,57.02 U3.3
SD3: length 35.2
  Bottom w0.2: U3.7 35.43,58.29 31.56,54.42 31.56,46.93 33.27,45.21 34.14,45.21 36.96,42.39 36.96,41.46 U1.51
SWCLK: length 34.1
  Bottom w0.2: U1.24 42.22,33.94 42.22,32.83 41.1,31.71 38.37,31.71 36.09,29.43 36.09,27.54 36.09,25.51 44.77,16.83 J2.5 44.69,8.55
SWD: length 32.8
  Bottom w0.2: U1.25 41.82,33.77 41.82,33 40.93,32.11 38.21,32.11 35.69,29.59 35.69,26.04 35.69,26.03 35.69,25.34 42.23,18.8 J2.4
XTAL_IN: length 17.2
  Bottom w0.2: C6.2 42.74,24.4 Y1.3 41.85,24.38 43.33,24.38 44.31,25.36 44.29,25.37 44.29,25.62 43.47,26.45 43.48,26.45 43.48,28.08 42.16,29.39 42.16,30.48 43.87,32.19 43.87,34.55 U1.20
XTAL_OUT: length 8.1
  Bottom w0.2: R7.2 41.74,28.94 41.74,30.65 43.47,32.39 43.47,34.38 U1.21
Net-(C5-Pad2): length 3.6
  Bottom w0.2: R7.1 42.11,27.16 Y1.1 40.7,27.16 C5.2
Net-(D2-Pad2): length 4.7
  Bottom w0.2: D2.2 17.4,68.07 SW1.2
Net-(D3-Pad2): length 17.3
  Bottom w0.2: D3.2 20.37,49.15 SW14(1.25)1.2 ; 17.73,51.79 14.35,48.42 14.35,45.09 10.86,41.59
Net-(D4-Pad2): length 4.7
  Bottom w0.2: 27.24,32.64 24.51,29.91 D4.2
Net-(D5-Pad2): length 4.8
  Bottom w0.2: D5.2 17.46,10.99 20.13,13.65
Net-(D6-Pad2): length 18.6
  Bottom w0.2: D6.2 45.72,67.82 36.57,67.82 32.26,63.5 SW2.2
Net-(D7-Pad2): length 4.8
  Bottom w0.2: D7.2 46.04,49.09 SW15.2
Net-(D8-Pad2): length 4.8
  Bottom w0.2: SW27.2 55.56,30.04 D8.2
Net-(D9-Pad2): length 4.8
  Bottom w0.2: SW3.2 60.33,68.14 D9.2
Net-(D10-Pad2): length 4.8
  Bottom w0.2: SW16.2 65.09,49.09 D10.2
Net-(D11-Pad2): length 4.8
  Bottom w0.2: SW28.2 74.61,30.04 D11.2
Net-(D12-Pad2): length 4.8
  Bottom w0.2: D12.2 60.33,10.99 SW40.2
Net-(D13-Pad2): length 4.8
  Bottom w0.2: SW4.2 79.38,68.14 D13.2
Net-(D14-Pad2): length 4.8
  Bottom w0.2: D14.2 84.14,49.09 SW17.2
Net-(D15-Pad2): length 4.8
  Bottom w0.2: D15.2 93.66,30.04 SW29.2
Net-(D16-Pad2): length 4.8
  Bottom w0.2: SW5.2 98.42,68.14 D16.2
Net-(D17-Pad2): length 4.8
  Bottom w0.2: SW18.2 103.19,49.09 D17.2
Net-(D18-Pad2): length 4.8
  Bottom w0.2: SW30.2 112.71,30.04 D18.2
Net-(D19-Pad2): length 4.8
  Bottom w0.2: SW44.2 98.42,10.99 D19.2
Net-(D20-Pad2): length 4.8
  Bottom w0.2: 120.14,70.8 117.47,68.14 D20.2
Net-(D21-Pad2): length 4.8
  Bottom w0.2: SW19.2 122.24,49.09 D21.2
Net-(D22-Pad2): length 4.8
  Bottom w0.2: D22.2 131.76,30.04 SW31.2
Net-(D23-Pad2): length 4.8
  Bottom w0.2: D23.2 136.53,68.14 SW7.2
Net-(D24-Pad2): length 4.8
  Bottom w0.2: D24.2 141.29,49.09 SW20.2
Net-(D25-Pad2): length 4.8
  Bottom w0.2: D25.2 150.81,30.04 SW32.2
Net-(D26-Pad2): length 4.8
  Bottom w0.2: SW41.2 136.53,10.99 D26.2
Net-(D27-Pad2): length 4.8
  Bottom w0.2: D27.2 155.57,68.14 158.24,70.8
Net-(D28-Pad2): length 4.8
  Bottom w0.2: D28.2 160.34,49.09 SW21.2
Net-(D29-Pad2): length 4.8
  Bottom w0.2: SW33.2 169.86,30.04 D29.2
Net-(D30-Pad2): length 4.8
  Bottom w0.2: D30.2 174.62,68.14 SW9.2
Net-(D31-Pad2): length 4.8
  Bottom w0.2: SW22.2 179.39,49.09 D31.2
Net-(D32-Pad2): length 4.8
  Bottom w0.2: D32.2 188.91,30.04 SW34.2
Net-(D33-Pad2): length 4.8
  Bottom w0.2: D33.2 174.62,10.99 SW45.2
Net-(D34-Pad2): length 4.8
  Bottom w0.2: SW10.2 193.68,68.14 D34.2
Net-(D35-Pad2): length 4.8
  Bottom w0.2: D35.2 198.44,49.09 SW23.2
Net-(D36-Pad2): length 4.8
  Bottom w0.2: D36.2 207.96,30.04 SW35.2
Net-(D37-Pad2): length 4.8
  Bottom w0.2: D37.2 212.72,68.14 SW11.2
Net-(D38-Pad2): length 4.8
  Bottom w0.2: D38.2 217.49,49.09 SW24.2
Net-(D39-Pad2): length 3.7
  Bottom w0.2: D39.2 217.87,22.67 SW36.2
Net-(D40-Pad2): length 4.8
  Bottom w0.2: SW42.2 212.72,10.99 D40.2
Net-(D41-Pad2): length 29
  Bottom w0.2: SW12.2 249.62,58.93 229.24,58.93 SW12(1.5)1.2 223.97,60.64 D41.2
Net-(D42-Pad2): length 4.8
  Bottom w0.2: SW25.2 248.41,49.03 D42.2
Net-(D43-Pad2): length 16
  Bottom w0.2: D43.2 244.15,22.67 244.28,22.54 243.9,22.92 243.9,28.77 246.32,31.18 246.32,32.77
Net-(D44-Pad2): length 26
  Bottom w0.2: SW13.2 236.28,72.64 240.54,72.64 241.3,71.89 D44.2 242.06,72.64 256.41,72.64 SW13(1.5)1.2
Net-(D45-Pad2): length 4.8
  Bottom w0.2: SW43.2 255.59,10.99 D45.2

## Copper pours and planes (outline as drawn; the poured copper is in the pictures)
+1V1 on Bottom: 37.34,37.47 39.88,40.01 42.16,37.72 40.32,35.87 40.96,35.36 41.4,35.81 41.27,36.07 43.18,37.72 39.88,40.89 37.72,38.73 37.53,38.8 36.77,38.04
+3V3 on Bottom: 32.89,36.58 35.43,36.58 36.2,37.34 39.88,33.66 43.94,37.72 39.88,41.66 38.61,40.64 37.08,39.88 36.45,39.5 35.5,39.31 33.66,40.26 32.89,39.5
GND on Top, Bottom: 265.11,2.22 244.48,2.22 244.48,5.4 243.11,5.4 219.07,5.4 219.07,2.22 217.3,2.22 53.97,2.22 49.15,2.22 49.15,5.21 47.62,5.27 23.24,5.27 23.24,2.22 1.59,2.22 1.59,73.66 265.11,73.66

## Text on the board
B.Silkscreen: JLCJLCJLCJLC | JST | Reset | Boot | design by Calvin#0563 | concept by shwilliam#0420 | v1.0 | KIRA
